# Altium PCB Temp_meter_16CH.PcbDoc (part 2 of 4)
Units mm, origin at the board's own origin, x right, y up, seen from the top; angles counter-clockwise.
Board outline 110 x 150 mm, 2 copper layers (Top Layer, Bottom Layer); 521 components, 394 nets, 1514 pads, 524 vias.
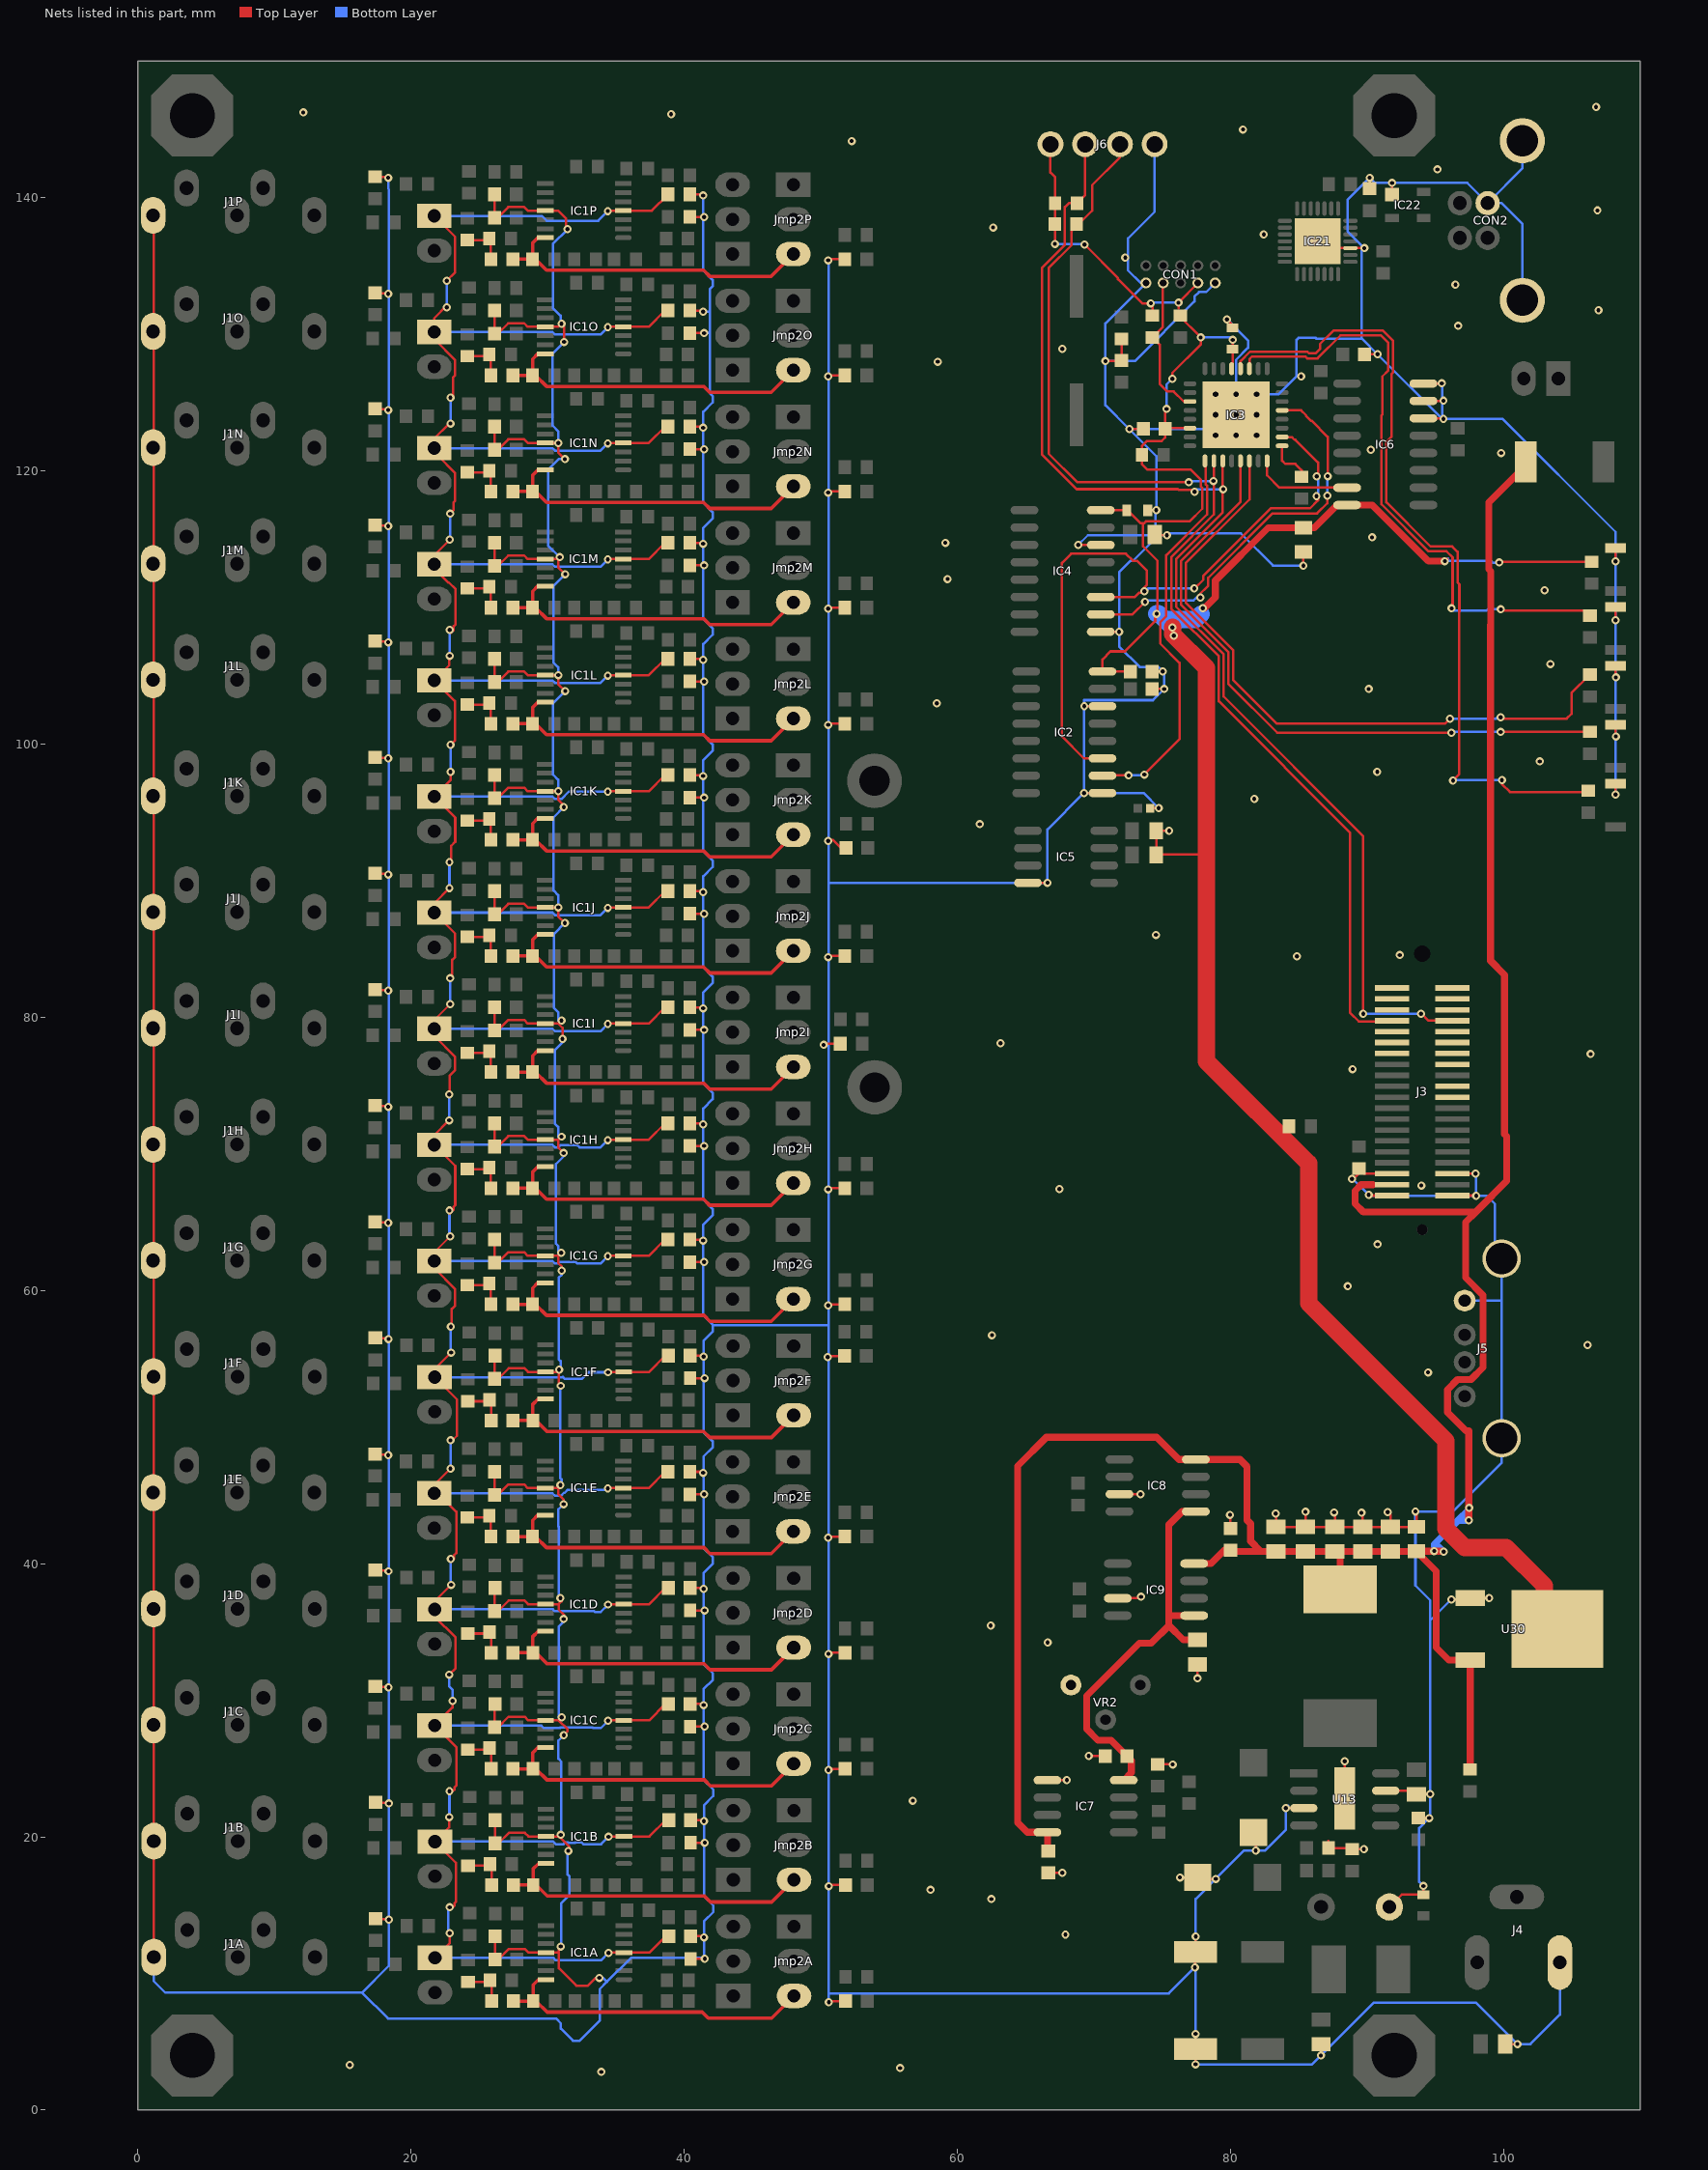
[diagram p2: the nets of this part, all layers, seen from the top]

## Footprints (in the part's own frame and the unit in brackets; to place one, negate y for a bottom-side part, rotate by r counter-clockwise, add the part's x,y. Pads: shape width x height; smd on the part's side, far side on the other; paste and mask are expansions set on the pad) (continued)
trimpot1 [mil]
  round 60 hole 30: 1(60,60) 2(160,160) 3(260,60)
  silkscreen extent 0,0 320,220, body extent 20,13 300,205, height 345
TSSOP14-4.4 [mil]
  oval 48x14 smd: 1(0,0)
  rect 48x14 smd: 2(0,-26) 3(0,-52) 4(0,-78) 5(0,-104) 6(0,-130) 7(0,-156) 8(225,-156) 9(225,-130) 10(225,-104) 11(225,-78) 12(225,-52) 13(225,-26) 14(225,0)
  silkscreen extent 31,-175 193,20, body extent -9,-177 237,24, height 43
TYCO_5177984-1 [mm]
  round 0.8 hole 0.8 unplated: 0(-2.5,-2.2)
  round 0.8 hole 1.2 unplated: 0(17.7,-2.2)
  rect 0.4x2.5 smd: 1(0,0) 2(0.8,0) 3(1.6,0) 4(2.4,0) 5(3.2,0) 6(4,0) 7(4.8,0) 8(5.6,0) 9(6.4,0) 10(7.2,0) 11(8,0) 12(8.8,0) 13(9.6,0) 14(10.4,0) 15(11.2,0) 16(12,0) 17(12.8,0) 18(13.6,0) 19(14.4,0) 20(15.2,0) 21(15.2,-4.4) 22(14.4,-4.4) 23(13.6,-4.4) 24(12.8,-4.4) 25(12,-4.4) 26(11.2,-4.4) 27(10.4,-4.4) 28(9.6,-4.4) 29(8.8,-4.4) 30(8,-4.4) 31(7.2,-4.4) 32(6.4,-4.4) 33(5.6,-4.4) 34(4.8,-4.4) 35(4,-4.4) 36(3.2,-4.4) 37(2.4,-4.4) 38(1.6,-4.4) 39(0.8,-4.4) 40(0,-4.4)
  silkscreen extent -3,-4.6 18.5,0.3, body extent -3.3,-5.21 18.5,0.79, height 4.62
USBB-G [mil] "(TME)"
  round 130 hole 90.55: 0(-180,-180) 0(280,-180)
  round 70 hole 40: 1(100,0) 2(0,0) 3(0,-80) 4(100,-80)
  silkscreen extent -180,-590 280,40, body extent -233,-590 333,28, height 453
Varistor_7mm [mm]
  round 2 hole 1: 1(0,0) 2(5,0)
  silkscreen extent -1.5,-1.5 6.5,1.5, body extent -1.4,-0.9 6.57,1.1, height 8.99

## Part data
C1A C1B C1C C1D C1E C1F C1G C1H C1I C1J C1K C1L C1M C1N C1O C1P C2A C2B C2C C2D C2E C2F C2G C2H C2I C2J C2K C2L C2M C2N C2O C2P C3A C3B C3C C3D C3E C3F C3G C3H C3I C3J C3K C3L C3M C3N C3O C3P C4A C4B C4C C4D C4E C4F C4G C4H C4I C4J C4K C4L C4M C4N C4O C4P C5A C5B C5C C5D C5E C5F C5G C5H C5I C5J C5K C5L C5M C5N C5O C5P C6A C6B C6C C6D C6E C6F C6G C6H C6I C6J C6K C6L C6M C6N C6O C6P C14 C21 C22 C44 C57 C63 C85 C95 C97 C103 C121 C201 C202 C203 C204: library part CAP_SMD, "Capacitor SMD"
C7 C10 C11 C12 C17 C18 C20 C23 C24: library part CAP_SMD_0402, "Capacitor SMD"
C8 C9: library part CAP_SMD_0603, "Capacitor SMD"
C13 C19: library part CAP_SMD_0805, "Capacitor SMD"
C15: library part CC0603_1UF_16V_10%_X7R, "Non-polarised capacitor"
C16: library part CC0603_100NF_50V_10%_X7R, "Non-polarised capacitor"
C43 C102: library part CAP_ELECTRO_SMD, "Electrolytic Capacitor"
CON1: library part "HEADER 5X2"
CON2: library part CON_USB_B, "USB connector B type (TME)"
D8 D9: library part DIODE_SK26, "2A shottky diode (Maritex)"
F2: library part F_POLYSWITCH, "polymer FUSE"
IC1A IC1B IC1C IC1D IC1E IC1F IC1G IC1H IC1I IC1J IC1K IC1L IC1M IC1N IC1O IC1P: library part OA_MCP6004, "micropower opamp"
IC2 IC4: library part ADC_MCP3208, "8-Channel 12-Bit A/D with SPI"
IC3: library part UPC_LPC1111
IC5: library part REF_LM285/385, "1.2V micropower voltage reference"
IC6: library part 4053
IC7: library part OA_LM358, "Operational Amplifier"
IC8 IC9: library part PWM_TC7660, "20mA PUMP DC-TO-DC VOLTAGE CONVERTER"
IC21: "Single-Chip USB to UART Bridge"
IC22: "Ultra Low Capacitance Double Rail-to-Rail ESD Protection Diode"
J1A J1B J1C J1D J1E J1F J1G J1H J1I J1J J1K J1L J1M J1N J1O J1P: library part "CON_Phonejack Stereo SW", "3-Conductor Jack with 2 break contacts (normals) and 2 auxiliary make contacts"
J3: library part CON_2x20_PLUG_0.8_Tyco, "0.8 mm dual row"
J4: library part CON_DC_JACK_TH, "Low Voltage Power Supply Connector (maritex)"
J5: library part FCI_87520-0010BLF, "4 Pin + 1 Shield USB Receptacle"
J6: library part MOLEX_22-27-2041, "Connector 4 Male"
JP1A JP1B JP1C JP1D JP1E JP1F JP1G JP1H JP1I JP1J JP1K JP1L JP1M JP1N JP1O JP1P JP2: library part JUMPER, "Jumper"
L1: library part L_POWER_DLCSN042C, "inductor (Maritex)"
L3: library part POWER_INDUCTOR_CSS124, "inductor"
LED1 LED3 LED5: library part LED_SMD_90deg_G, "LED (Maritex)"
LED2 LED4: library part LED_SMD_90deg_R, "LED (Maritex)"
R1A R1B R1C R1D R1E R1F R1G R1H R1I R1J R1K R1L R1M R1N R1O R1P R2A R2B R2C R2D R2E R2F R2G R2H R2I R2J R2K R2L R2M R2N R2O R2P R3A R3B R3C R3D R3E R3F R3G R3H R3I R3J R3K R3L R3M R3N R3O R3P R4A R4B R4C R4D R4E R4F R4G R4H R4I R4J R4K R4L R4M R4N R4O R4P R5A R5B R5C R5D R5E R5F R5G R5H R5I R5J R5K R5L R5M R5N R5O R5P R6A R6B R6C R6D R6E R6F R6G R6H R6I R6J R6K R6L R6M R6N R6O R6P R7A R7B R7C R7D R7E R7F R7G R7H R7I R7J R7K R7L R7M R7N R7O R7P R8A R8B R8C R8D R8E R8F R8G R8H R8I R8J R8K R8L R8M R8N R8O R8P R9A R9B R9C R9D R9E R9F R9G R9H R9I R9J R9K R9L R9M R9N R9O R9P R10A R10B R10C R10D R10E R10F R10G R10H R10I R10J R10K R10L R10M R10N R10O R10P R11A R11B R11C R11D R11E R11F R11G R11H R11I R11J R11K R11L R11M R11N R11O R11P R12A R12B R12C R12D R12E R12F R12G R12H R12I R12J R12K R12L R12M R12N R12O R12P R13A R13B R13C R13D R13E R13F R13G R13H R13I R13J R13K R13L R13M R13N R13O R13P R14A R14B R14C R14D R14E R14F R14G R14H R14I R14J R14K R14L R14M R14N R14O R14P R15A R15B R15C R15D R15E R15F R15G R15H R15I R15J R15K R15L R15M R15N R15O R15P R16A R16B R16C R16D R16E R16F R16G R16H R16I R16J R16K R16L R16M R16N R16O R16P R19 R20: library part RES2, "Resistor"
R17 R23 R24 R25 R28 R29 R30 R31 R32 R33 R34 R37: library part RES_SMD, "SMD Resistor"
R18 R21 R22 R26 R27 R36 R38 R39: library part RES_0603, "SMD Resistor"
R35 R97 R114: library part R0603_3K3_1%_0.1W_100PPM, "Resistor - 1%"
U13: library part L5973D, "2.5A SWITCH STEP DOWN SWITCHING REGULATOR"
U30: library part REG_S1117-3.3D, "Voltage Regulator"
VR1: library part "Varistor V07N", "varistor 7mm (Maritex)"
VR2: library part TRIMPOT_PREC_9mm_Y, "Precision trimpot, 0.5W, +/- 10%"
X1: library part X_CRYSTAL, "Crystal oscillator"

## Free pads (board coordinates)
  oct 6x6 hole 3.3: 0(4,4) 0(4,146) 0(92,4) 0(92,146)
  round 4 hole 2.2: 0(53.96,74.869) 1(53.95,97.3)

## Via types
v1: diameter 0.6, hole 0.3, Top Layer to Bottom Layer, tented both sides, 515 vias
v2: diameter 0.8, hole 0.4, Top Layer to Bottom Layer, tented both sides, 9 vias

## Nets (pads, with @x,y where several pads share a name; then routed paths per layer and width w, separated by ;. In a path a pad name is that pad's centre, name@x,y a point inside that pad or via, vN(x,y) a via of type N, cw(c..) or ccw(c..) an arc to the next point about the centre after c; other vN are vias at no path point)
5V: C3A.1 C3B.1 C3C.1 C3D.1 C3E.1 C3F.1 C3G.1 C3H.1 C3I.1 C3J.1 C3K.1 C3L.1 C3M.1 C3N.1 C3O.1 C3P.1 IC1A.4 IC1B.4 IC1C.4 IC1D.4 IC1E.4 IC1F.4 IC1G.4 IC1H.4 IC1I.4 IC1J.4 IC1K.4 IC1L.4 IC1M.4 IC1N.4 IC1O.4 IC1P.4 JP1A.1 JP1B.1 JP1C.1 JP1D.1 JP1E.1 JP1F.1 JP1G.1 JP1H.1 JP1I.1 JP1J.1 JP1K.1 JP1L.1 JP1M.1 JP1N.1 JP1O.1 JP1P.1 | length 436.4
  Top Layer w0.178: JP1N.1@21.711,122.348 22.819,123.456 v1(22.901,123.456) ; JP1P.1@21.711,138.653 23.247,137.116 23.247,134.522 v1(22.625,133.9) ; JP1D.1@21.736,36.653 21.736,36.129 23.272,34.592 23.272,32.347 v1(22.8,31.875) ; JP1D.1@21.736,37.236 v1(22.951,38.452) ; JP1A.1@21.761,11.153 22.85,12.243 v1(22.851,12.951) v1(22.851,12.951) ; JP1N.1@21.803,121.653 JP1N.1@21.711,121.653 21.925,121.439 21.925,121.15 23.247,119.828 23.247,117.806 23.136,117.695 23.136,117.116 v1(22.876,116.856) ; v1(22.626,131.956) 22.626,132.074 21.711,131.158 JP1O.1@21.711,130.153 21.711,129.629 23.247,128.092 23.247,126.987 23.1,126.84 23.1,125.379 23.077,125.356 v1(22.901,125.356) ; v1(22.8,21.45) 22.8,20.693 JP1B.1@21.761,19.653 23.3,18.114 23.3,15.235 23.186,15.121 23.186,14.963 23.074,14.851 v1(22.851,14.851) ; v1(22.801,72.454) 21.711,71.363 JP1H.1@21.711,70.653 23.25,69.114 23.25,66.235 23.136,66.121 23.136,65.911 22.854,65.629 22.826,65.657 v1(22.826,65.853) ; v1(22.801,74.354) 22.85,74.305 22.85,75.737 23.247,76.134 23.247,77.092 21.711,78.629 JP1I.1@21.711,79.153 21.711,79.788 v1(22.876,80.954) ; v1(22.826,23.351) 22.826,23.157 22.854,23.129 23.186,23.461 23.186,23.621 23.35,23.785 23.35,26.539 JP1C.1@21.736,28.153 23.051,29.469 v1(23.051,29.951) ; v1(22.826,89.454) 21.711,88.339 JP1J.1@21.711,87.653 23.247,86.116 23.247,84.412 23.025,84.19 23.025,82.837 22.893,82.837 v1(22.876,82.854) ; v1(22.826,91.354) 22.95,91.478 22.95,92.54 23.25,92.84 23.25,94.614 JP1K.1@21.711,96.153 22.9,97.343 v1@22.9,97.955 ; v1@22.85,114.957 21.711,113.817 JP1M.1@21.711,113.153 21.711,112.839 22.725,111.825 22.775,111.825 23.275,111.325 23.275,108.76 23.136,108.621 23.136,108.337 22.928,108.129 22.851,108.206 v1(22.851,108.355) ; v1(22.851,106.455) 22.825,106.481 22.825,105.768 JP1L.1@21.711,104.653 23.225,103.139 23.225,102.614 23.247,102.592 23.247,100.276 v1(22.901,99.93) ; v1(22.876,63.953) 21.711,62.788 JP1G.1@21.711,62.153 21.711,61.629 23.247,60.092 23.247,58.887 23,58.64 23,57.427 v1(22.926,57.353) ; v1(22.901,46.952) 21.711,45.762 JP1E.1@21.711,45.153 21.972,45.153 23.325,43.8 23.325,40.785 23.161,40.621 23.161,40.337 22.953,40.129 22.926,40.156 v1(22.926,40.352) ; v1@22.901,48.852 v1@22.901,48.886 ; v1(22.901,49.024) v1@22.901,48.886 ; v1(22.951,55.453) 21.736,54.237 JP1F.1@21.736,53.653 23.375,52.014 23.375,49.36 v1@22.901,48.886 ; v1(34.419,45.505) 34.448,45.534 IC1E.4@35.554,45.534 37.42,45.534 38.61,46.724 C3E.1@38.826,46.724 ; v1(34.419,62.505) 34.448,62.534 IC1G.4@35.554,62.534 37.42,62.534 38.61,63.724 C3G.1@38.826,63.724 ; v1(34.419,71.005) 34.448,71.034 IC1H.4@35.554,71.034 37.42,71.034 38.61,72.224 C3H.1@38.826,72.224 ; v1(34.419,79.505) 34.448,79.534 IC1I.4@35.554,79.534 37.42,79.534 38.61,80.724 C3I.1@38.826,80.724 ; v1(34.419,88.005) 34.448,88.034 IC1J.4@35.554,88.034 37.42,88.034 38.61,89.224 C3J.1@38.826,89.224 ; v1(34.419,96.505) 34.448,96.534 IC1K.4@35.554,96.534 37.42,96.534 38.61,97.724 C3K.1@38.826,97.724 ; v1(34.419,105.005) 34.448,105.034 IC1L.4@35.554,105.034 37.42,105.034 38.61,106.224 C3L.1@38.826,106.224 ; v1(34.419,113.505) 34.448,113.534 IC1M.4@35.554,113.534 37.42,113.534 38.61,114.724 C3M.1@38.826,114.724 ; v1(34.419,122.005) 34.448,122.034 IC1N.4@35.554,122.034 37.42,122.034 38.61,123.224 C3N.1@38.826,123.224 ; v1(34.419,130.505) 34.448,130.534 IC1O.4@35.554,130.534 37.42,130.534 38.61,131.724 C3O.1@38.826,131.724 ; v1(34.419,139.005) 34.448,139.034 IC1P.4@35.554,139.034 37.636,139.034 C3P.1@38.826,140.224 ; v1(34.444,28.505) 34.473,28.534 IC1C.4@35.579,28.534 37.445,28.534 38.635,29.724 C3C.1@38.851,29.724 ; v1(34.444,37.005) 34.473,37.034 IC1D.4@35.579,37.034 36.802,37.034 37.445,37.034 38.635,38.224 C3D.1@38.851,38.224 ; v1(34.444,54.005) 34.473,54.034 IC1F.4@35.579,54.034 37.445,54.034 38.635,55.224 C3F.1@38.851,55.224 ; v1(34.469,11.505) 34.498,11.534 IC1A.4@35.604,11.534 37.47,11.534 38.66,12.724 C3A.1@38.876,12.724 ; v1(34.469,20.005) 34.498,20.034 IC1B.4@35.604,20.034 37.47,20.034 38.66,21.224 C3B.1@38.876,21.224
  Bottom Layer w0.178: JP1E.1@21.711,45.153 30.37,45.153 30.555,44.967 30.991,44.967 31.209,45.186 31.261,45.186 31.459,45.383 34.297,45.383 v1(34.419,45.505) ; JP1G.1@21.711,62.153 30.37,62.153 30.555,61.967 30.765,61.967 30.864,62.067 31.307,62.067 31.615,62.067 32.085,62.067 32.184,61.967 33.881,61.967 v1(34.419,62.505) ; JP1H.1@21.711,70.653 30.37,70.653 30.555,70.467 30.789,70.467 30.942,70.62 32.206,70.62 32.359,70.467 33.881,70.467 v1(34.419,71.005) ; JP1I.1@21.711,79.153 30.37,79.153 30.555,78.967 30.864,78.967 30.867,78.971 31.336,78.971 31.339,78.967 33.881,78.967 v1(34.419,79.505) ; JP1J.1@21.711,87.653 30.37,87.653 30.555,87.467 33.881,87.467 v1(34.419,88.005) ; JP1K.1@21.711,96.153 30.37,96.153 30.555,95.967 31.025,95.967 31.562,96.505 v1(34.419,96.505) ; JP1L.1@21.711,104.653 30.37,104.653 30.555,104.467 33.881,104.467 v1(34.419,105.005) ; JP1M.1@21.711,113.153 30.37,113.153 30.555,112.967 31.041,112.967 31.065,112.992 31.535,112.992 31.559,112.967 33.881,112.967 v1(34.419,113.505) ; JP1N.1@21.711,121.786 JP1N.1@21.711,121.653 30.37,121.653 30.555,121.467 33.881,121.467 v1(34.419,122.005) ; JP1O.1@21.711,130.153 30.37,130.153 30.555,129.967 30.966,129.967 30.99,129.992 31.535,129.992 31.559,129.967 33.881,129.967 v1(34.419,130.505) ; JP1P.1@21.711,138.653 29.597,138.653 29.95,138.3 33.714,138.3 v1(34.419,139.005) ; JP1C.1@21.736,28.153 29.55,28.153 29.736,27.967 30.916,27.967 30.967,28.018 33.301,28.018 33.352,27.967 33.906,27.967 v1(34.444,28.505) ; JP1D.1@21.736,36.653 30.395,36.653 30.53,36.518 33.426,36.518 33.477,36.467 33.906,36.467 v1(34.444,37.005) ; JP1F.1@21.736,53.653 21.753,53.636 31.086,53.636 31.103,53.653 31.139,53.653 31.25,53.542 32.542,53.542 33.005,54.005 v1(34.444,54.005) ; JP1A.1@21.761,11.153 30.42,11.153 30.605,10.967 33.931,10.967 v1(34.469,11.505) ; JP1B.1@21.761,19.653 30.42,19.653 30.605,19.467 31.167,19.467 31.292,19.593 31.506,19.593 31.54,19.558 32.01,19.558 32.044,19.593 32.509,19.593 32.634,19.467 33.931,19.467 v1(34.469,20.005) ; v1(22.625,133.9) v1(22.626,131.956) v1(22.626,131.956) ; v1(22.8,21.45) 22.826,21.476 v1(22.826,23.351) ; v1(22.8,31.875) 22.8,31.018 23.043,30.775 23.043,29.96 v1(23.051,29.951) ; v1(22.801,72.454) v1(22.801,74.354) ; v1(22.826,65.853) 22.826,64.003 v1(22.876,63.953) ; v1(22.826,89.454) v1(22.826,91.354) ; v1(22.851,12.951) 22.725,13.077 22.725,14.725 v1(22.851,14.851) ; v1(22.851,106.455) v1(22.851,106.455) 22.85,108.354 v1(22.851,108.355) ; v1(22.876,80.954) v1(22.876,82.854) ; v1@22.876,114.981 v1(22.876,116.856) ; v1(22.901,46.952) 22.9,46.953 22.9,49.023 v1(22.901,49.024) ; v1(22.901,97.955) v1(22.901,99.93) ; v1(22.901,123.456) v1(22.901,125.356) ; v1(22.926,40.352) 22.926,38.477 v1(22.951,38.452) ; v1(22.926,57.353) 22.926,55.478 v1(22.951,55.453)
  other v1: 22.851,114.956
+3.3V: C10.1 C11.1 C14.2 C21.1 C22.1 CON1.4 IC2.16 IC3.6 IC3.29 IC4.16 IC6.16 J6.4 R17.2 R19.2 R20.2 R21.2 R22.2 R23.2 R24.2 R26.2 R34.1 U30.2 | length 206.9
  Top Layer w0.178: J6.4@66.829,143.903 66.829,141.825 67.172,141.482 R22.2@67.172,139.585 67.172,138.076 67.172,136.522 67.15,136.5 v1(67.15,136.6) ; v1(69.325,136.55) 71.775,134.1 71.775,134.025 73.55,132.25 v1(74.175,132.25) 74.295,132.13 R24.2@74.295,131.356 ; IC4.16@70.512,117.106 C21.1@72.404,117.106 72.484,117.106 73.415,116.175 73.6,116.175 ; C10.1@72.675,105.295 IC2.16@70.639,105.295 70.639,106.189 71.225,106.775 72.275,106.775 74.499,108.999 74.499,109.352 v1@74.672,109.525 ; v1(74.6,109.525) v1@74.672,109.525 ; v1(75.325,124.525) 75.222,124.422 C11.1@75.222,123.063 ; v1(75.521,93.646) R19.2@74.574,93.646 R20.2@74.574,91.868 74.605,91.9 78.25,91.9 ; v1(75.754,126.731) 75.754,126.679 75.75,126.675 75.75,127.15 77.829,129.229 v1(77.829,129.756) 77.829,129.771 76.244,131.356 R23.2@76.073,131.356 ; 76.2,131.875 v1(76.2,132.3) 77.624,133.724 CON1.4@77.624,133.743 ; IC3.6@77.043,123.116 75.275,123.116 C11.1@75.222,123.063 ; IC3.29@80.093,127.466 80.164,127.537 C22.1@80.164,128.904 v1@80.164,129.564 ; v1(95.705,113.381) v1@95.849,113.525 ; v1@95.705,113.525 v1@95.849,113.525 ; v1(99.68,113.281) 99.505,113.281 99.559,113.334 R34.1@106.453,113.334 ; 73.6,116.175 73.704,116.175 73.824,116.295 77.02,116.295 77.945,117.22 77.945,118.75 77.828,118.868 77.828,119.347 77.1,120.075 73.925,120.075 73.522,120.478 R17.2@73.522,121.17 73.522,121.797 73.9,122.175 74.975,122.175 75.222,122.422 C11.1@75.222,123.063 ; 73.6,116.175 73.6,114.475 74.672,113.403 v1@74.672,109.525 ; v1@95.849,113.525 95.855,113.531 95.894,113.531 95.9,113.525 v1@95.849,113.525
  Top Layer w0.508: v1(77.979,109.93) 78.105,109.93 78.901,110.726 78.901,111.951 82.774,115.824 C14.2@85.344,115.824 86.149,115.824 87.812,117.487 IC6.16@88.546,117.487 90.388,117.487 94.494,113.381 v1(95.705,113.381)
  Top Layer w1.27: v1(75.757,108.53) 75.757,108.057 78.25,105.563 78.25,91.9 78.25,76.775 85.725,69.3 85.725,59.05 95.773,49.002 95.773,42.552 97.15,41.175 100.2,41.175 103,38.375 103,36.155 U30.2@103.938,35.217
  Bottom Layer w0.178: v1(67.15,136.6) 69.275,136.6 v1(69.325,136.55) ; v1(74.175,132.25) 74.225,132.3 v1(76.2,132.3) ; v1(74.6,109.525) v1@74.675,109.6 ; v1(75.325,124.525) 75.325,126.302 v1(75.754,126.731) ; 75.575,109.18 75.575,109.6 ; 77.729,109.68 v1(77.979,109.93) ; v1(77.829,129.756) 79.994,129.756 v1(80.175,129.575) ; 95.95,113.575 95.9,113.525 96.019,113.406 98.769,113.406 98.78,113.395 98.78,113.356 99.13,113.356 99.23,113.256 99.48,113.256 99.505,113.281 v1(99.68,113.281)
  Bottom Layer w1.27: v1(74.6,109.525) 74.762,109.525 75.193,109.094 ; v1(75.757,108.53) 75.193,109.094 ; 77.85,109.5 77.444,109.094 75.193,109.094
  other v1: 75.853,107.922
+5V: C17.1 C24.1 C57.1 C121.2 C201.1 C202.1 C203.1 C204.1 IC7.8 IC8.8 IC9.8 J3.2 L1.1 L3.2 R30.1 U30.3 | length 198.5
  Top Layer w0.178: 90.425,67.741 J3.2@91.848,67.741 ; 97.955,65.975 98.2,65.975 ; L1.1@101.627,120.375 L1.1@101.627,120.662
  Top Layer w0.508: C24.1@66.675,18.961 66.608,19.028 IC7.8@66.608,20.338 65.137,20.338 64.425,21.05 64.425,47.15 66.525,49.25 74.6,49.25 76.225,47.625 IC8.8@77.47,47.625 80.7,47.625 81.225,47.1 81.225,43.175 81.475,42.925 81.475,41.65 82.23,40.895 80.098,40.895 C17.1@80.01,40.983 79.558,40.983 78.58,40.005 IC9.8@77.343,40.005 ; 81.1,40.895 C57.1@85.498,40.895 C201.1@87.657,40.895 ; L3.2@88.038,38.133 88.038,40.514 C201.1@87.657,40.895 ; 90.425,67.741 89.566,67.741 89.125,67.3 89.125,66.35 89.745,65.73 97.955,65.73 ; v1(95.625,40.875) 95.594,40.906 C121.2@93.626,40.906 ; v1(97.45,43.175) 97.45,49.725 97.25,49.725 95.9,51.075 95.9,52.74 96.645,53.485 97.629,53.485 98.5,54.356 98.5,59.65 97.225,60.925 97.225,65 97.955,65.73 ; R30.1@97.563,24.942 U30.3@97.563,32.931 95.994,32.931 95.069,33.856 95.069,39.44 93.626,40.884 C121.2@93.626,40.906 ; L1.1@101.627,120.375 98.926,117.674 98.926,112.775 99.065,112.635 99.065,108.738 99.04,108.713 99.04,84.129 100.069,83.1 100.069,71.449 100.237,71.282 100.237,68.012 98.2,65.975 97.955,65.73 ; C201.1@87.657,40.895 C202.1@89.689,40.895 C204.1@91.721,40.895 93.615,40.895 C121.2@93.626,40.906
  Bottom Layer w0.508: v1(94.925,40.925) 94.925,41.415 96.685,43.175 ; 95.251,41.249 v1(95.625,40.875) ; v1(97.45,43.175) 96.685,43.175 ; v1(97.475,44.075) 97.475,43.965 96.685,43.175
-5V: C19.1 C23.1 IC7.4 IC8.5 IC9.5 | length 30.6
  Top Layer w0.508: IC7.4@72.196,24.148 72.75,24.702 72.75,25.586 C23.1@72.428,25.908 71.261,27.075 70.3,27.075 69.475,27.9 69.475,30.325 73.325,34.175 74.2,34.175 75.5,35.475 ; IC9.5@77.343,36.195 75.53,36.195 75.5,36.225 ; IC8.5@77.47,43.815 76.465,43.815 75.5,42.85 75.5,36.225 ; C19.1@77.597,34.428 76.547,34.428 75.5,35.475 ; 75.5,35.475 75.5,36.225
ADC0: J3.31
ADC1: J3.30
AUDIO_MCLK: J3.28
BOOT_SEL: CON1.8 IC3.3 R24.1 | length 10.7
  Top Layer w0.178: CON1.8@75.084,133.743 75.044,133.704 75.044,131.934 75.062,131.916 75.062,130.523 R24.1@74.295,129.756 74.831,129.22 74.831,126.349 75.378,125.803 75.854,125.803 76.591,125.066 IC3.3@77.043,125.066
CSN1: IC2.10 IC3.9 | length 29.2
  Top Layer w0.178: IC2.10@70.639,97.675 70.663,97.7 v1(72.55,97.7) ; v1(73.704,97.755) 73.68,97.755 76.275,100.35 76.275,105.938 74.855,107.359 74.855,108.904 75.3,109.349 75.3,113.812 78.301,116.813 78.301,118.897 78.183,119.015 78.183,120.676 IC3.9@78.143,120.716
  Bottom Layer w0.178: v1(72.55,97.7) 73.625,97.7 73.68,97.755 v1(73.704,97.755)
CSN2: IC3.21 IC4.10 | length 29.4
  Top Layer w0.178: IC4.10@70.512,109.486 72.836,109.486 v1(73.75,110.4) ; v1@77.661,110.863 77.664,110.863 78.381,111.579 78.381,112.167 83.089,116.875 86.35,116.875 87.1,117.625 v1(87.1,118.175) ; IC3.21@83.793,124.416 85.184,124.416 85.558,124.042 85.558,123.99 85.89,123.658 85.942,123.658 87.125,122.475 v1(87.125,119.6)
  Bottom Layer w0.178: v1(73.75,110.4) 73.858,110.508 77.307,110.508 77.51,110.712 v1(77.812,110.712) ; v1(87.1,118.175) 87.1,119.575 v1(87.125,119.6)
CTS: IC3.16 IC6.15 | length 7.3
  Top Layer w0.178: IC3.16@82.693,120.716 82.693,119.657 83.593,118.757 IC6.15@88.546,118.757
GND: C2A.2 C2B.2 C2C.2 C2D.2 C2E.2 C2F.2 C2G.2 C2H.2 C2I.2 C2J.2 C2K.2 C2L.2 C2M.2 C2N.2 C2O.2 C2P.2 C3A.2 C3B.2 C3C.2 C3D.2 C3E.2 C3F.2 C3G.2 C3H.2 C3I.2 C3J.2 C3K.2 C3L.2 C3M.2 C3N.2 C3O.2 C3P.2 C4A.1 C4B.1 C4C.1 C4D.1 C4E.1 C4F.1 C4G.1 C4H.1 C4I.1 C4J.1 C4K.1 C4L.1 C4M.1 C4N.1 C4O.1 C4P.1 C5A.1 C5B.1 C5C.1 C5D.1 C5E.1 C5F.1 C5G.1 C5H.1 C5I.1 C5J.1 C5K.1 C5L.1 C5M.1 C5N.1 C5O.1 C5P.1 C6A.2 C6B.2 C6C.2 C6D.2 C6E.2 C6F.2 C6G.2 C6H.2 C6I.2 C6J.2 C6K.2 C6L.2 C6M.2 C6N.2 C6O.2 C6P.2 C7.2 C8.1 C9.1 C10.2 C11.2 C12.2 C13.2 C14.1 C15.2 C16.2 C17.2 C19.2 C21.2 C22.2 C23.2 C24.2 C43.2 C44.1 C57.2 C63.2 C85.2 C95.1 C102.2 C103.2 C121.1 C201.2 C202.2 C203.2 C204.2 CON1.2 CON1.10 CON2.0 CON2.4 D8.A D9.A IC1A.11 IC1B.11 IC1C.11 IC1D.11 IC1E.11 IC1F.11 IC1G.11 IC1H.11 IC1I.11 IC1J.11 IC1K.11 IC1L.11 IC1M.11 IC1N.11 IC1O.11 IC1P.11 IC2.9 IC2.14 IC3.33 IC4.9 IC4.14 IC5.4 IC6.6 IC6.7 IC6.8 IC7.5 IC8.3 IC9.3 IC21.3 IC21.29 IC22.1 J1A.1 J1B.1 J1C.1 J1D.1 J1E.1 J1F.1 J1G.1 J1H.1 J1I.1 J1J.1 J1K.1 J1L.1 J1M.1 J1N.1 J1O.1 J1P.1 J3.1 J3.3 J3.38 J3.40 J4.1 J5.4 J5.5 J6.1 LED1.K LED2.K LED3.K LED4.K LED5.K R1A.1 R1B.1 R1C.1 R1D.1 R1E.1 R1F.1 R1G.1 R1H.1 R1I.1 R1J.1 R1K.1 R1L.1 R1M.1 R1N.1 R1O.1 R1P.1 R27.2 R31.2 R37.1 R39.2 U13.0 U13.3 U13.7 U30.1 VR1.2 VR2.3 | length 1372.2